# KiCad board panel.kicad_pcb (continued)
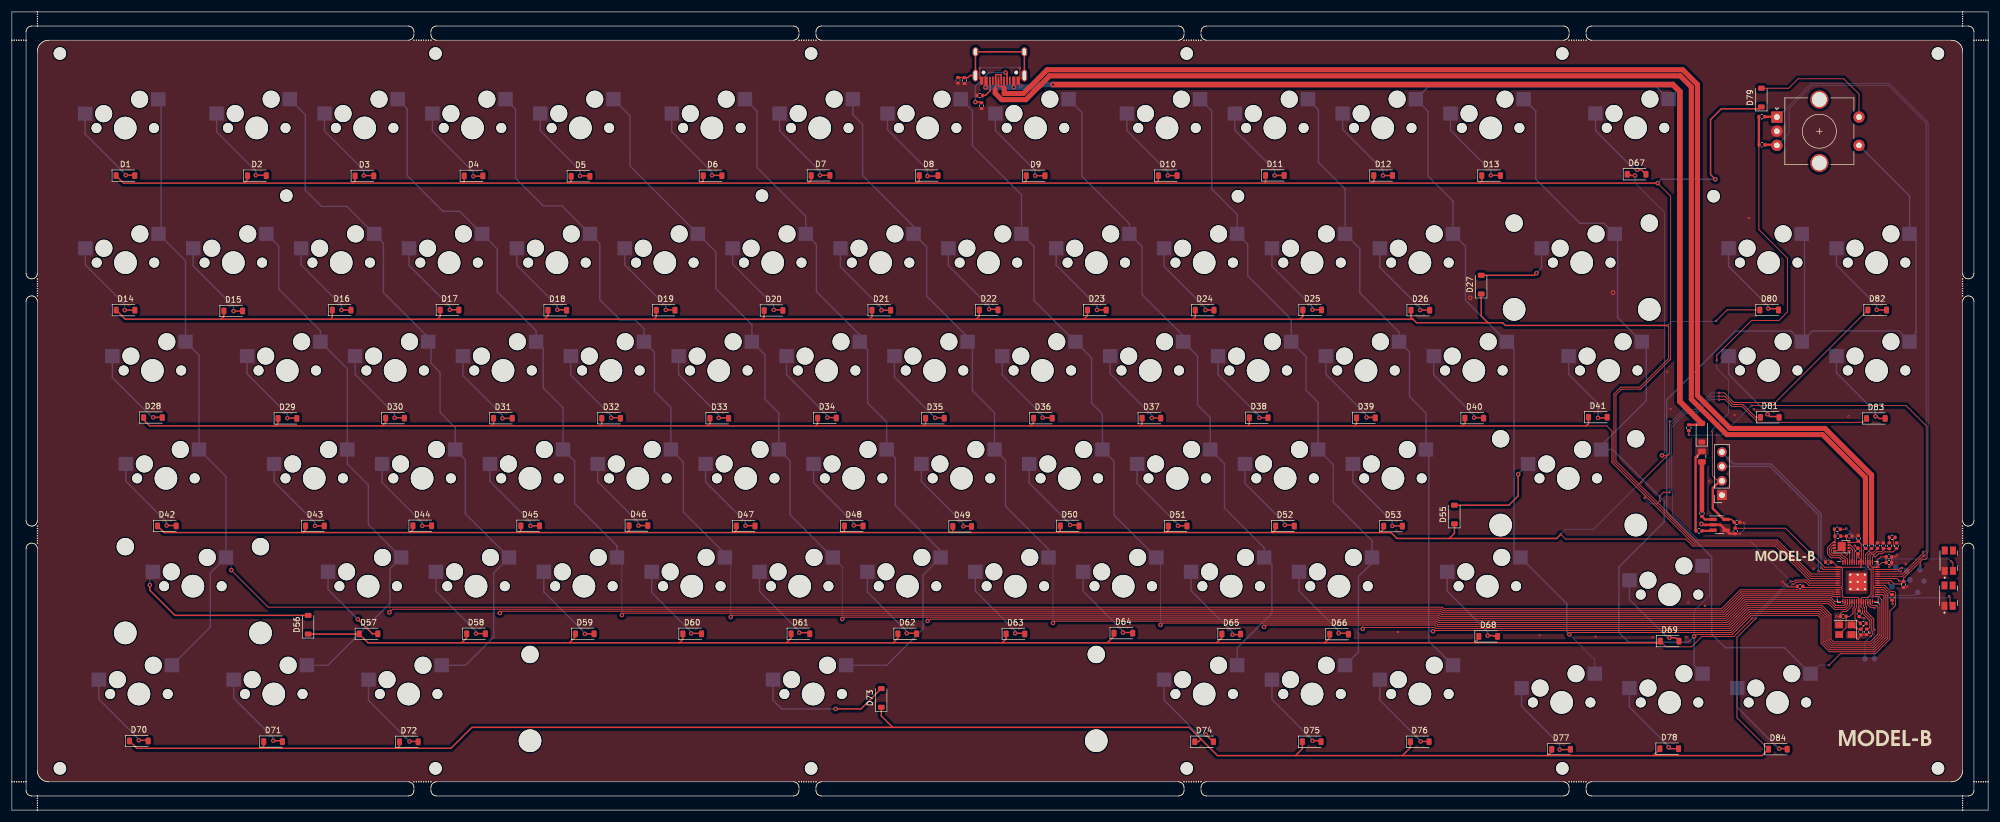
[diagram p0: board, top side]
## Footprints (pads in the part's own frame, mm; a bottom-side part is the same pattern mirrored in y, then rotated)
C_0402_1005Metric
  rrect 0.56x0.62 smd: 1(-0.48,0) 2(0.48,0)
Crystal_SMD_3225-4Pin_3.2x2.5mm
  rect 1.4x1.2 smd: 1(-1.1,-0.85) 2(1.1,-0.85) 3(1.1,0.85) 4(-1.1,0.85)
CustomTestPoint
  round 1 smd: 1(0,0)
D_SOD-123
  rrect 0.9x1.2 smd: 1(-1.65,0) 2(1.65,0)
Fuse_0805_2012Metric
  rrect 0.975x1.4 smd: 1(-0.938,0) 2(0.938,0)
HRO-TYPE-C-31-M-12
  round 0.65 hole 0.65 unplated: (-2.89,6.25) (2.89,6.25)
  rect 0.6x1.45 smd: 1(-3.225,7.695) 2(-2.45,7.695) 11(2.45,7.695) 12(3.225,7.695)
  rect 0.3x1.45 smd: 3(-1.75,7.695) 4(-1.25,7.695) 5(-0.75,7.695) 6(-0.25,7.695) 7(0.25,7.695) 8(0.75,7.695) 9(1.25,7.695) 10(1.75,7.695)
  oval 1x2.1 hole 0.6x1.7: 13(-4.32,6.78) 13(4.32,6.78)
  oval 1x1.6 hole 0.6x1.2: 13(-4.32,2.6) 13(4.32,2.6)
MountingHole_2.2mm_M2_ISO7380
  round 2.2 hole 2.2 unplated: (0,0)
MXOnly-1.5U-Hotswap
  round 1.75 hole 1.75 unplated: (-5.08,0) (5.08,0)
  round 3 hole 3 unplated: (-3.81,2.54) (2.54,5.08)
  round 3.988 hole 3.988 unplated: (0,0)
  rect 2.55x2.5 smd far side: 1(-7.085,2.54) 2(5.842,5.08)
MXOnly-1.25U-Hotswap
  round 1.75 hole 1.75 unplated: (-5.08,0) (5.08,0)
  round 3 hole 3 unplated: (-3.81,2.54) (2.54,5.08)
  round 3.988 hole 3.988 unplated: (0,0)
  rect 2.55x2.5 smd far side: 1(-7.085,2.54) 2(5.842,5.08)
MXOnly-1.75U-Hotswap
  round 1.75 hole 1.75 unplated: (-5.08,0) (5.08,0)
  round 3 hole 3 unplated: (-3.81,2.54) (2.54,5.08)
  round 3.988 hole 3.988 unplated: (0,0)
  rect 2.55x2.5 smd far side: 1(-7.085,2.54) 2(5.842,5.08)
MXOnly-1U-Hotswap
  round 1.75 hole 1.75 unplated: (-5.08,0) (5.08,0)
  round 3 hole 3 unplated: (-3.81,2.54) (2.54,5.08)
  round 3.988 hole 3.988 unplated: (0,0)
  rect 2.55x2.5 smd far side: 1(-7.085,2.54) 2(5.842,5.08)
MXOnly-2.25U-Hotswap
  round 3.048 hole 3.048 unplated: (-11.938,6.985) (11.938,6.985)
  round 3.988 hole 3.988 unplated: (-11.938,-8.255) (0,0) (11.938,-8.255)
  round 1.75 hole 1.75 unplated: (-5.08,0) (5.08,0)
  round 3 hole 3 unplated: (-3.81,2.54) (2.54,5.08)
  rect 2.55x2.5 smd far side: 1(-7.085,2.54) 2(5.842,5.08)
MXOnly-2U-Hotswap
  round 3.048 hole 3.048 unplated: (-11.938,6.985) (11.938,6.985)
  round 3.988 hole 3.988 unplated: (-11.938,-8.255) (0,0) (11.938,-8.255)
  round 1.75 hole 1.75 unplated: (-5.08,0) (5.08,0)
  round 3 hole 3 unplated: (-3.81,2.54) (2.54,5.08)
  rect 2.55x2.5 smd far side: 1(-7.085,2.54) 2(5.842,5.08)
MXOnly-6.25U-Hotswap
  round 3.048 hole 3.048 unplated: (-50,6.985) (50,6.985)
  round 3.988 hole 3.988 unplated: (-50,-8.255) (0,0) (50,-8.255)
  round 1.75 hole 1.75 unplated: (-5.08,0) (5.08,0)
  round 3 hole 3 unplated: (-3.81,2.54) (2.54,5.08)
  rect 2.55x2.5 smd far side: 1(-7.085,2.54) 2(5.842,5.08)
NPTH
  round 0.2 hole 0.2 unplated: (0,0)
PinSocket_1x04_P2.54mm_Vertical
  rect 1.7x1.7 hole 1: 1(0,0)
  oval 1.7x1.7 hole 1: 2(0,-2.54) 3(0,-5.08) 4(0,-7.62)
R_0402_1005Metric
  rrect 0.54x0.64 smd: 1(-0.51,0) 2(0.51,0)
RotaryEncoder_Alps_EC11E-Switch_Vertical_H20mm_CircularMountingHoles
  rect 2x2 hole 1: A(0,0)
  round 2 hole 1: B(0,-5) C(0,-2.5) S1(14.5,-5) S2(14.5,0)
  round 3.2 hole 2.6: MP(7.5,3.1) MP(7.5,-8.1)
RP2040-QFN-56
  rrect 1.084x1.084 smd: (-0.637,0.637) (-0.637,-0.637) (0.637,0.637) (0.637,-0.637)
  rrect 0.875x0.2 smd: 1(-3.438,2.6) 2(-3.438,2.2) 3(-3.438,1.8) 4(-3.438,1.4) 5(-3.438,1) 6(-3.438,0.6) 7(-3.438,0.2) 8(-3.438,-0.2) 9(-3.438,-0.6) 10(-3.438,-1) 11(-3.438,-1.4) 12(-3.438,-1.8) 13(-3.438,-2.2) 14(-3.438,-2.6) 29(3.438,-2.6) 30(3.438,-2.2) 31(3.438,-1.8) 32(3.438,-1.4) 33(3.438,-1) 34(3.438,-0.6) 35(3.438,-0.2) 36(3.438,0.2) 37(3.438,0.6) 38(3.438,1) 39(3.438,1.4) 40(3.438,1.8) 41(3.438,2.2) 42(3.438,2.6)
  rrect 0.2x0.875 smd: 15(-2.6,-3.438) 16(-2.2,-3.438) 17(-1.8,-3.438) 18(-1.4,-3.438) 19(-1,-3.438) 20(-0.6,-3.438) 21(-0.2,-3.438) 22(0.2,-3.438) 23(0.6,-3.438) 24(1,-3.438) 25(1.4,-3.438) 26(1.8,-3.438) 27(2.2,-3.438) 28(2.6,-3.438) 43(2.6,3.438) 44(2.2,3.438) 45(1.8,3.438) 46(1.4,3.438) 47(1,3.438) 48(0.6,3.438) 49(0.2,3.438) 50(-0.2,3.438) 51(-0.6,3.438) 52(-1,3.438) 53(-1.4,3.438) 54(-1.8,3.438) 55(-2.2,3.438) 56(-2.6,3.438)
  round 0.6 hole 0.35: 57(-1.275,1.275) 57(-1.275,0) 57(-1.275,-1.275) 57(0,1.275) 57(0,0) 57(0,-1.275) 57(1.275,1.275) 57(1.275,0) 57(1.275,-1.275)
  rrect 3.2x3.2 smd: 57(0,0)
SON-8-1EP_3x2mm_P0.5mm_EP1.4x1.6mm
  rrect 0.56x0.64 smd: (-0.35,0.4) (-0.35,-0.4) (0.35,0.4) (0.35,-0.4)
  rrect 0.525x0.35 smd: 1(-1.288,0.75) 2(-1.288,0.25) 3(-1.288,-0.25) 4(-1.288,-0.75) 5(1.288,-0.75) 6(1.288,-0.25) 7(1.288,0.25) 8(1.288,0.75)
  rect 1.4x1.6 smd: 9(0,0)
SOT-23-5
  rrect 1.325x0.6 smd: 1(-1.137,0.95) 2(-1.137,0) 3(-1.137,-0.95) 4(1.137,-0.95) 5(1.137,0.95)
SW_EVQ-P7A01P
  rect 1.4x1.05 smd: 1_1(-1.8,0.725) 1_2(1.8,0.725) 2_1(-1.8,-0.725) 2_2(1.8,-0.725)
unnamed
  round 2.2 hole 2.2 unplated: (0,0)

## Nets
Board_0-3V3_EN: R11.2 U2.3
Board_0-+1V1: C7.1 C8.1 C9.1 U3.23 U3.45 U3.50
Board_0-+3V3: C1.2 C5.1 C6.1 C10.1 C12.1 C13.1 C14.1 C15.1 C16.1 C17.1 C18.1 OLED1.2 R1.2 R2.2 R4.2 R13.1 TP9.1 U1.8 U2.5 U3.1 U3.10 U3.22 U3.33 U3.42 U3.44 U3.48 U3.49
Board_0-/ADC_VREF: R13.2 R14.1
Board_0-/col0: SW1.2 SW14.2 SW28.2 SW42.2 SW56.2 SW70.2 U3.11
Board_0-/col1: SW15.2 SW29.2 SW43.2 SW57.2 SW71.2 U3.12
Board_0-/col2: SW2.2 SW16.2 SW30.2 SW44.2 SW58.2 SW72.2 U3.13
Board_0-/col3: SW3.2 SW17.2 SW31.2 SW45.2 SW59.2 U3.14
Board_0-/col4: SW4.2 SW18.2 SW32.2 SW46.2 SW60.2 U3.15
Board_0-/col5: SW5.2 SW19.2 SW33.2 SW47.2 SW61.2 U3.16
Board_0-/col6: SW6.2 SW20.2 SW34.2 SW48.2 SW62.2 SW73.2 U3.17
Board_0-/col7: SW7.2 SW21.2 SW35.2 SW49.2 SW63.2 U3.18
Board_0-/col8: SW8.2 SW22.2 SW36.2 SW50.2 SW64.2 U3.27
Board_0-/col9: SW9.2 SW23.2 SW37.2 SW51.2 SW65.2 SW74.2 U3.28
Board_0-/col10: SW10.2 SW24.2 SW38.2 SW52.2 SW66.2 SW75.2 U3.29
Board_0-/col11: SW11.2 SW25.2 SW39.2 SW53.2 SW76.2 U3.30
Board_0-/col12: SW12.2 SW26.2 SW40.2 SW54.2 SW68.2 SW77.2 U3.31
Board_0-/col13: SW13.2 SW27.2 SW41.2 SW55.2 SW69.2 SW78.2 U3.32
Board_0-/col14: ROTARY1.S1 SW80.2 SW81.2 SW82.2 SW83.2 SW84.2 U3.34
Board_0-/GPIO24: R7.2 R8.1 TP7.1 U3.36
Board_0-/QSPI_SCLK: U1.6 U3.52
Board_0-/QSPI_SD0: U1.5 U3.53
Board_0-/QSPI_SD1: U1.2 U3.55
Board_0-/QSPI_SD2: U1.3 U3.54
Board_0-/QSPI_SD3: U1.7 U3.51
Board_0-/QSPI_SS: R3.2 R4.1 U1.1 U3.56
Board_0-/RES: D79.2 ROTARY1.S2
Board_0-/RESCLK: R1.1 ROTARY1.A U3.38
Board_0-/RESDATA: R2.1 ROTARY1.B U3.39
Board_0-/row0: D1.1 D2.1 D3.1 D4.1 D5.1 D6.1 D7.1 D8.1 D9.1 D10.1 D11.1 D12.1 D13.1 D79.1 U3.4
Board_0-/row1: D14.1 D15.1 D16.1 D17.1 D18.1 D19.1 D20.1 D21.1 D22.1 D23.1 D24.1 D25.1 D26.1 D27.1 D80.1 U3.5
Board_0-/row2: D28.1 D29.1 D30.1 D31.1 D32.1 D33.1 D34.1 D35.1 D36.1 D37.1 D38.1 D39.1 D40.1 D41.1 D81.1 U3.6
Board_0-/row3: D42.1 D43.1 D44.1 D45.1 D46.1 D47.1 D48.1 D49.1 D50.1 D51.1 D52.1 D53.1 D55.1 D67.1 D82.1 U3.7
Board_0-/row4: D56.1 D57.1 D58.1 D59.1 D60.1 D61.1 D62.1 D63.1 D64.1 D65.1 D66.1 D68.1 D69.1 D83.1 U3.8
Board_0-/row5: D70.1 D71.1 D72.1 D73.1 D74.1 D75.1 D76.1 D77.1 D78.1 D84.1 U3.9
Board_0-/RUN: S2.2_1 U3.26
Board_0-/SCL: OLED1.3 U3.3
Board_0-/SDA: OLED1.4 U3.2
Board_0-/USB_BOOT: R3.1 S1.2_1
Board_0-/USB_DN: R16.2 USB1.5 USB1.7
Board_0-/USB_DP: R15.2 USB1.6 USB1.8
Board_0-GND: C1.1 C2.1 C3.2 C4.2 C5.2 C6.2 C7.2 C8.2 C9.2 C10.2 C11.2 C12.2 C13.2 C14.2 C15.2 C16.2 C17.2 C18.2 OLED1.1 R6.1 R7.1 R9.2 R10.2 ROTARY1.C S1.1_1 S2.1_1 TP8.1 U1.4 U1.9 U2.2 U2.4 U3.19 U3.57 USB1.1 USB1.12 Y1.2 Y1.4
Board_0-Net-(C3-Pad1): C3.1 R5.1 Y1.1
Board_0-Net-(D1-A): D1.2 SW1.1
Board_0-Net-(D2-A): D2.2 SW2.1
Board_0-Net-(D3-A): D3.2 SW3.1
Board_0-Net-(D4-A): D4.2 SW4.1
Board_0-Net-(D5-A): D5.2 SW5.1
Board_0-Net-(D6-A): D6.2 SW6.1
Board_0-Net-(D7-A): D7.2 SW7.1
Board_0-Net-(D8-A): D8.2 SW8.1
Board_0-Net-(D9-A): D9.2 SW9.1
Board_0-Net-(D10-A): D10.2 SW10.1
Board_0-Net-(D11-A): D11.2 SW11.1
Board_0-Net-(D12-A): D12.2 SW12.1
Board_0-Net-(D13-A): D13.2 SW13.1
Board_0-Net-(D14-A): D14.2 SW14.1
Board_0-Net-(D15-A): D15.2 SW15.1
Board_0-Net-(D16-A): D16.2 SW16.1
Board_0-Net-(D17-A): D17.2 SW17.1
Board_0-Net-(D18-A): D18.2 SW18.1
Board_0-Net-(D19-A): D19.2 SW19.1
Board_0-Net-(D20-A): D20.2 SW20.1
Board_0-Net-(D21-A): D21.2 SW21.1
Board_0-Net-(D22-A): D22.2 SW22.1
Board_0-Net-(D23-A): D23.2 SW23.1
Board_0-Net-(D24-A): D24.2 SW24.1
Board_0-Net-(D25-A): D25.2 SW25.1
Board_0-Net-(D26-A): D26.2 SW26.1
Board_0-Net-(D27-A): D27.2 SW27.1
Board_0-Net-(D28-A): D28.2 SW28.1
Board_0-Net-(D29-A): D29.2 SW29.1
Board_0-Net-(D30-A): D30.2 SW30.1
Board_0-Net-(D31-A): D31.2 SW31.1
Board_0-Net-(D32-A): D32.2 SW32.1
Board_0-Net-(D33-A): D33.2 SW33.1
Board_0-Net-(D34-A): D34.2 SW34.1
Board_0-Net-(D35-A): D35.2 SW35.1
Board_0-Net-(D36-A): D36.2 SW36.1
Board_0-Net-(D37-A): D37.2 SW37.1
Board_0-Net-(D38-A): D38.2 SW38.1
Board_0-Net-(D39-A): D39.2 SW39.1
Board_0-Net-(D40-A): D40.2 SW40.1
Board_0-Net-(D41-A): D41.2 SW41.1
Board_0-Net-(D42-A): D42.2 SW42.1
Board_0-Net-(D43-A): D43.2 SW43.1
Board_0-Net-(D44-A): D44.2 SW44.1
Board_0-Net-(D45-A): D45.2 SW45.1
Board_0-Net-(D46-A): D46.2 SW46.1
Board_0-Net-(D47-A): D47.2 SW47.1
Board_0-Net-(D48-A): D48.2 SW48.1
Board_0-Net-(D49-A): D49.2 SW49.1
Board_0-Net-(D50-A): D50.2 SW50.1
Board_0-Net-(D51-A): D51.2 SW51.1
Board_0-Net-(D52-A): D52.2 SW52.1
Board_0-Net-(D53-A): D53.2 SW53.1
Board_0-Net-(D55-A): D55.2 SW55.1
Board_0-Net-(D56-A): D56.2 SW56.1
Board_0-Net-(D57-A): D57.2 SW57.1
Board_0-Net-(D58-A): D58.2 SW58.1
Board_0-Net-(D59-A): D59.2 SW59.1
Board_0-Net-(D60-A): D60.2 SW60.1
Board_0-Net-(D61-A): D61.2 SW61.1
Board_0-Net-(D62-A): D62.2 SW62.1
Board_0-Net-(D63-A): D63.2 SW63.1
Board_0-Net-(D64-A): D64.2 SW64.1
Board_0-Net-(D65-A): D65.2 SW65.1
Board_0-Net-(D66-A): D66.2 SW66.1
Board_0-Net-(D67-A): D67.2 SW54.1
Board_0-Net-(D68-A): D68.2 SW68.1
Board_0-Net-(D69-A): D69.2 SW69.1
Board_0-Net-(D70-A): D70.2 SW70.1
Board_0-Net-(D71-A): D71.2 SW71.1
Board_0-Net-(D72-A): D72.2 SW72.1
Board_0-Net-(D73-A): D73.2 SW73.1
Board_0-Net-(D74-A): D74.2 SW74.1
Board_0-Net-(D75-A): D75.2 SW75.1
Board_0-Net-(D76-A): D76.2 SW76.1
Board_0-Net-(D77-A): D77.2 SW77.1
Board_0-Net-(D78-A): D78.2 SW78.1
Board_0-Net-(D80-A): D80.2 SW80.1
Board_0-Net-(D81-A): D81.2 SW81.1
Board_0-Net-(D82-A): D82.2 SW82.1
Board_0-Net-(D83-A): D83.2 SW83.1
Board_0-Net-(D84-A): D84.2 SW84.1
Board_0-Net-(F1-Pad2): F1.2 FB1.2
Board_0-Net-(U2-IN): FB1.1 U2.1
Board_0-Net-(U3-ADC_AVDD): C11.1 R14.2 U3.43
Board_0-Net-(U3-GPIO23): TP1.1 U3.35
Board_0-Net-(U3-GPIO25): TP2.1 U3.37
Board_0-Net-(U3-GPIO28_ADC2): TP3.1 U3.40
Board_0-Net-(U3-GPIO29_ADC3): TP4.1 U3.41
Board_0-Net-(U3-SWCLK): TP5.1 U3.24
Board_0-Net-(U3-SWD): TP6.1 U3.25
Board_0-Net-(U3-USB_DM): R16.1 U3.46
Board_0-Net-(U3-USB_DP): R15.1 U3.47
Board_0-Net-(USB1-CC1): R9.1 USB1.4
Board_0-Net-(USB1-CC2): R10.1 USB1.10
Board_0-Net-(USB1-SHIELD): C4.1 R6.2 USB1.13
Board_0-unconnected-(USB1-SBU1-Pad9): USB1.9
Board_0-unconnected-(USB1-SBU2-Pad3): USB1.3
Board_0-VBUS: D54.2 R8.2 USB1.2 USB1.11
Board_0-VSYS: D54.1 F1.1 R11.1
Board_0-XIN: C2.2 U3.20 Y1.3
Board_0-XOUT: R5.2 U3.21

Pads without a net: ROTARY1 MP; S1 1_2 2_2; S2 1_2 2_2

## Via types
v1: diameter 0.4, hole 0.2, Top to Bottom, 72 vias
v2: diameter 0.8, hole 0.4, Top to Bottom, 108 vias

## Routing (per net, layer and track width the routed paths; a pad name or vN(x,y) marks a point on that pad's centre or on a via; arc(x,y) is an arc through that point)
Board_0-3V3_EN: length 2
  Top w0.4: U2.3 300.31,49.33 R11.2
Board_0-+1V1: length 22.2
  Top w0.15: C7.1 328.78,45.56 328.26,45.56 327.76,45.06 U3.45 327.77,43.74 v1(327.77,42.99) 328.34,42.41 328.34,38.15 327.77,37.58 326.78,37.58 326.56,37.37 U3.23 326.56,35.9 326.81,35.65 326.81,34.78 328.1,33.49 328.1,32.31 327.82,32.03 327.62,32.03 C8.1 ; U3.50 325.76,44.86 326.03,45.13 326.14,45.02 v1(326.14,44.65)
  Bottom w0.15: v1(327.77,42.99) 326.14,44.61 v1(326.14,44.65)
Board_0-+3V3: length 182.2
  Top w0.15: U3.1 321.62,43.81 C14.1 ; U3.1 326.49,42.91 v1(326.56,42.98) 326.56,43.31 326.56,43.31 U3.48 326.56,44.24 326.61,44.29 ; U3.1 320.11,42.91 313.23,49.79 C5.1 304.34,50.68 C6.1 ; U3.1 323.02,42.91 323.24,42.69 323.24,39.52 323.02,39.31 ; C16.1 331.89,38.05 330.63,39.31 U3.33 328.9,39.31 ; C10.1 326.19,35.19 v1(326.19,35.59) 326.16,35.62 U3.22 326.16,37.37 325.95,37.58 323.45,37.58 323.24,37.8 323.24,39.09 323.02,39.31 ; v1(300.31,66.88) 300.31,59.09 301.24,58.16 OLED1.2 ; 323.02,39.31 U3.10 316.49,39.31 C18.1 ; v1(328.56,37.71) 328.69,37.83 328.69,39.09 328.9,39.31 ; R13.1 330.54,46.18 C17.1 330.5,45.96 330.16,45.63 329.35,45.63 328.92,45.21 328.4,45.21 328.16,44.97 U3.44 328.16,43.25 328.5,42.91 U3.42 ; 326.61,44.29 326.16,43.84 U3.49 ; 326.61,44.29 326.61,46.95 326.08,47.48 C15.1 325.86,47.3 U1.8 323.99,47.74 C1.2 323.98,48.4 R4.2 ; 328.9,39.31 328.69,39.52 328.69,42.69 328.9,42.91 U3.42 ; U3.42 329.4,44.12 330.02,44.74 C12.1 331.01,44.74 C13.1 330.21,43.72 U3.42 ; 308.52,117.85 308.52,102.53 313.55,97.5 313.55,87.97 312.07,86.49 307.22,86.49 301.08,80.35 v1(301.08,79.47)
  Top w0.25: C6.1 303.67,51.35 U2.5
  Top w0.4: OLED1.2 301.64,58.16 300.38,56.91 300.38,53.27 302.3,51.35 U2.5 ; R1.2 308.52,117.56 R2.2
  Bottom w0.15: v1(300.31,66.88) 300.31,67.21 303.16,70.07 303.16,75.95 301.08,78.03 v1(301.08,79.47) ; v1(326.19,35.59) 326.19,35.94 327.96,37.71 v1(328.56,37.71) 328.94,37.71 329.19,37.96 336.08,37.96 TP9.1 ; v1(329.38,43.65) 328.24,42.51 327.57,42.51 327.19,42.89 326.65,42.89 v1(326.56,42.98)
Board_0-/ADC_VREF: length 1
  Top w0.15: R13.2 331.57,48.16 R14.1
Board_0-/col0: length 399.9
  Top w0.15: U3.11 305.25,38.91 301.9,35.56 252.91,35.56 252.63,35.84 45.29,35.84 v2(38.74,42.39)
  Bottom w0.15: SW56.2 38.74,43.7 v2(38.74,42.39)
  Bottom w0.25: SW70.2 35.03,32.34 35.03,41.87 SW56.2 37.81,58.92 SW42.2 33.04,80.36 SW28.2 30.66,97.02 25.9,101.79 26.35,102.24 26.35,125.07 SW1.2
Board_0-/col1: length 354.5
  Top w0.15: U3.12 321.76,38.51 321.71,38.56 305.39,38.56 302.05,35.21 252.77,35.21 252.49,35.49 67.23,35.49 v2(66.67,34.94)
  Bottom w0.15: 66.75,36.64 66.75,35.01 v2(66.67,34.94)
  Bottom w0.25: SW71.2 55.8,25.59 66.75,36.54 66.75,42.62 SW57.2 62.95,50.45 62.95,57.44 59.24,61.16 SW43.2 59.24,77.97 SW29.2 54.47,84.69 47.13,92.04 47.13,99.6 44.95,101.79
Board_0-/col2: length 365.2
  Top w0.15: v2(86.17,34.82) 86.5,35.14 252.34,35.14 252.62,34.86 302.19,34.86 305.54,38.21 321.56,38.21 321.67,38.11 U3.13
  Bottom w0.15: 85.1,34.87 85.16,34.82 v2(86.17,34.82)
  Bottom w0.25: SW2.2 51.81,122.85 51.81,109.5 54.67,106.64 59.15,106.64 65.61,100.18 65.61,91.43 73.52,83.51 SW30.2 74.01,82.25 74.01,78.92 75.63,77.3 75.63,70.23 78.29,67.58 SW44.2 80.07,61.9 80.07,52.37 SW58.2 85.1,41.93 85.1,30.56 80.12,25.59 SW72.2
Board_0-/col3: length 325.7
  Top w0.15: U3.14 322.03,37.71 321.98,37.76 321.52,37.76 321.42,37.86 305.68,37.86 302.34,34.51 252.48,34.51 252.2,34.79 108.05,34.79 v2(107.73,34.47)
  Bottom w0.15: SW59.2 107.73,43.77 v2(107.73,34.47)
  Bottom w0.25: SW3.2 69.81,123.91 69.81,112.09 76.12,105.78 79.06,105.78 85.71,99.13 85.71,91.55 92.57,84.68 SW31.2 93.83,81.48 93.83,74.59 97.34,71.08 SW45.2 99.38,61.64 99.38,54.15 106.86,46.67 SW59.2
Board_0-/col4: length 309.7
  Top w0.15: U3.15 321.91,36.87 321.27,37.51 305.83,37.51 302.48,34.16 252.33,34.16 252.05,34.44 127.28,34.44 v2(126.96,34.12)
  Bottom w0.15: v2(126.96,34.12) 126.96,43.59 SW60.2
  Bottom w0.25: SW4.2 88.94,123.83 88.94,111.63 93.83,106.74 97.15,106.74 103.82,100.06 103.82,90.19 107.41,86.6 110.03,86.6 111.62,85.01 SW32.2 113.47,80.9 113.47,74.03 116.39,71.11 SW46.2 118.56,61.51 118.56,52.68 125.91,45.34 SW60.2
Board_0-/col5: length 288.3
  Top w0.15: v2(146.64,33.77) 146.97,34.09 251.91,34.09 252.19,33.81 302.63,33.81 305.97,37.16 321.13,37.16 322.13,36.16 323.55,36.16 323.76,36.37 U3.16
  Bottom w0.15: SW61.2 146.64,42.96 v2(146.64,33.77)
  Bottom w0.25: SW61.2 137.44,52.16 137.44,61.68 SW47.2 135.44,70.14 132.99,72.59 132.99,80.42 SW33.2 130.67,85.76 124.31,92.12 124.31,98.63 109.17,113.77 109.17,115.11 109.17,115.11 109.17,122.65 SW5.2
Board_0-/col6: length 292.4
  Top w0.15: v2(161.73,33.42) 161.92,33.42 162.25,33.74 251.76,33.74 252.04,33.46 302.77,33.46 306.12,36.81 320.98,36.81 321.99,35.81 323.69,35.81 324.16,36.28 U3.17
  Bottom w0.15: 160.91,31.99 160.91,32.6 v2(161.73,33.42)
  Bottom w0.25: SW73.2 154.5,25.59 160.91,31.99 160.91,41.53 SW62.2 164.01,45.8 156.01,53.8 156.01,62.16 SW48.2 154.49,68.55 151.12,71.92 151.12,81.35 SW34.2 149.72,83.96 142.08,91.6 142.08,99.9 140.2,101.79 140.2,104.89 131.58,113.51 131.58,123.45 SW6.2
Board_0-/col7: length 250.9
  Top w0.15: v2(183.85,33.07) 184.18,33.39 251.62,33.39 251.9,33.11 302.92,33.11 306.26,36.46 320.84,36.46 321.84,35.46 323.84,35.46 324.56,36.18 U3.18
  Bottom w0.15: SW63.2 183.85,43.85 v2(183.85,33.07)
  Bottom w0.25: SW63.2 183.06,46.08 175.48,53.66 175.48,61.75 SW49.2 173.54,70.19 169.62,74.1 169.62,81.89 SW35.2 168.77,83.58 161.55,90.81 161.55,99.49 159.25,101.79 159.25,103.1 150.24,112.11 150.24,121.09 148.51,122.83 SW7.2
Board_0-/col8: length 248.5
  Top w0.15: U3.27 328.16,36.37 328.38,36.16 329.25,36.16 329.55,35.87 329.55,31.07 328.2,29.72 321.71,29.72 321.25,30.19 321.25,34.56 319.7,36.11 306.41,36.11 303.06,32.76 251.75,32.76 251.47,33.04 203.16,33.04 v2(202.84,32.72)
  Bottom w0.15: SW64.2 202.84,43.91 v2(202.84,32.72)
  Bottom w0.25: SW8.2 169.62,123.52 169.62,117.36 178.3,108.68 178.3,101.79 180.52,99.56 180.52,90 187.79,82.74 SW36.2 190.67,79.89 190.67,71.88 192.59,69.97 SW50.2 194.61,61.67 194.61,52.14 SW64.2
Board_0-/col9: length 241.4
  Top w0.15: v2(221.12,32.37) 221.44,32.69 251.33,32.69 251.61,32.41 303.21,32.41 306.55,35.76 319.55,35.76 320.9,34.42 320.9,30.05 321.57,29.38 328.34,29.38 329.89,30.93 329.89,36.31 329.33,36.87 U3.28
  Bottom w0.15: v2(221.12,32.37) 221.12,32.7 220.77,33.04
  Bottom w0.25: SW74.2 216.4,28.67 222.52,34.79 222.52,43.28 SW65.2 221.16,46.34 214.14,53.36 214.14,61.18 SW51.2 211.64,69.34 209.39,71.58 209.39,80.22 SW37.2 206.87,83.77 199.58,91.06 199.58,99.56 197.35,101.79 197.35,103.59 188.98,111.96 188.98,123.21 SW9.2
Board_0-/col10: length 222
  Top w0.15: U3.29 329.66,37.71 330.25,37.12 330.25,30.78 328.49,29.03 321.42,29.03 320.55,29.9 320.55,34.27 319.41,35.41 306.7,35.41 303.35,32.06 251.46,32.06 251.25,32.28 238.83,32.28 v2(238.57,32.02)
  Bottom w0.15: 237.79,31.9 237.91,32.02 v2(238.57,32.02)
  Bottom w0.25: SW75.2 237.79,27.93 237.79,41.25 240.21,43.67 SW66.2 240.21,47.56 233.35,54.42 233.35,61.03 SW52.2 230.69,72.02 228.55,74.16 228.55,80.11 SW38.2 225.92,86.68 218.26,94.34 218.26,99.93 216.4,101.79 216.4,105.22 211.9,109.72 211.9,123.52 SW10.2
Board_0-/col11: length 207
  Top w0.15: U3.30 330.3,38.11 330.6,37.81 330.6,30.64 328.63,28.68 321.28,28.68 320.2,29.76 320.2,34.13 319.26,35.06 306.84,35.06 303.5,31.71 251.08,31.71 v2(250.97,31.6)
  Bottom w0.15: 250.22,31.86 250.49,31.6 v2(250.97,31.6)
  Bottom w0.25: SW76.2 250.22,29.86 250.22,63.2 SW53.2 249.74,70.13 246.82,73.05 246.82,80.89 SW39.2 244.97,84.43 238.04,91.37 238.04,99.19 235.45,101.79 235.45,109.71 230.72,114.43 230.72,123.74 SW11.2
Board_0-/col12: length 234.5
  Top w0.15: v2(275.04,31.04) 275.36,31.36 303.64,31.36 306.99,34.71 319.12,34.71 319.85,33.98 319.85,29.61 321.13,28.32 328.78,28.32 330.94,30.49 330.94,38.01 330.44,38.51 U3.31
  Bottom w0.15: SW77.2 279.53,26.58 274.62,31.49 275.04,31.07 v2(275.04,31.04)
  Bottom w0.25: 274.62,31.49 274.62,36.43 SW68.2 265.28,45.76 265.28,81.48 SW40.2 256.72,90.05 256.72,99.57 254.5,101.79 254.5,107.56 250.1,111.96 250.1,123.41 SW12.2 250.13,127.78 290.4,127.78 SW54.2
Board_0-/col13: length 205.7
  Top w0.15: U3.32 330.54,38.91 331.3,38.15 331.3,30.35 328.92,27.97 320.99,27.97 319.5,29.47 319.5,33.84 318.97,34.36 307.13,34.36 303.79,31.01 297.4,31.01 v2(297.08,30.69)
  Bottom w0.15: SW69.2 299.78,41.95 299.78,37.9 297.08,35.19 v2(297.08,30.69)
  Bottom w0.25: SW78.2 297.08,25.6 v2(297.08,30.69) 296.05,29.66 285.52,29.66 283.8,31.38 283.8,42.95 291.8,50.95 291.8,54.58 282.69,63.69 SW55.2 280.69,64.41 288.64,72.36 288.64,81.93 SW41.2 283.56,87.01 283.56,101.3 281.2,103.66 276.9,103.66 269.11,111.45 269.11,123.46 SW13.2
Board_0-/col14: length 203
  Top w0.15: v1(320.9,25.62) 322.91,27.62 329.07,27.62 331.64,30.2 331.64,35.17 332.63,36.15 332.63,38.41 332.42,38.62 331.82,38.62 330.73,39.71 U3.34
  Bottom w0.15: v1(320.9,25.62) 319.15,25.62 SW84.2
  Bottom w0.25: SW81.2 314.22,84.62 304.41,84.62 292.25,72.46 292.25,52.66 300.18,44.72 300.18,31.11 302.59,28.69 313.04,28.69 SW84.2 ; SW81.2 316.58,83.23 316.58,101.31 SW80.2 ; SW81.2 317.99,84.64 333.25,84.64 SW83.2 335.14,83.24 336.29,84.39 336.29,100.65 SW82.2 335.14,108.48 ROTARY1.S1
Board_0-/GPIO24: length 83
  Top w0.15: v1(296.14,66.29) 296.14,67.04 R8.1 ; 334.08,40.96 334.08,40.46 ; 334.08,40.96 337.05,43.92 ; 334.08,40.96 334.06,40.93 334.06,40.36 333.64,39.95 332.41,39.95 331.84,40.51 U3.36 ; 337.05,43.92 337.03,43.9 v1(337.03,43.19) ; 337.05,43.92 337.43,44.31 337.94,44.31 338.21,44.58 338.21,67.74 334.49,71.47 v1(307.22,71.47)
  Bottom w0.15: v1(307.22,71.47) 307.22,71.46 302,66.24 296.19,66.24 v1(296.14,66.29) ; v1(337.03,43.19) 337.03,42.51 TP7.1
Board_0-/QSPI_SCLK: length 3
  Top w0.15: U1.6 324.71,46.3 325.01,45.99 325.01,44.35 324.96,44.3 U3.52
Board_0-/QSPI_SD0: length 2.1
  Top w0.15: U1.5 324.56,45.66 U3.53
Board_0-/QSPI_SD1: length 5.7
  Top w0.15: U3.55 323.76,44.24 323.55,44.46 323.36,44.46 322.89,44.93 321.44,44.93 320.96,45.41 320.96,46.19 321.57,46.8 U1.2
Board_0-/QSPI_SD2: length 5.1
  Top w0.15: U3.54 324.16,44.34 323.69,44.81 323.51,44.81 323.03,45.28 321.59,45.28 321.31,45.56 321.31,46.04 321.57,46.3 U1.3
Board_0-/QSPI_SD3: length 3.6
  Top w0.15: U3.51 325.36,46.14 324.71,46.8 U1.7
Board_0-/QSPI_SS: length 8.6
  Top w0.15: R3.2 321.86,48.49 R4.1 321.96,47.4 U1.1 321.57,47.3 320.62,46.34 320.61,45.27 321.3,44.58 322.75,44.58 323.36,43.97 U3.56
Board_0-/RES: length 23.1
  Top w0.15: D79.2 313.78,127.51 315.45,129.18 323.51,129.18 326.2,126.49 ROTARY1.S2
Board_0-/RESCLK: length 121.3
  Top w0.15: U3.38 333.94,41.31 337.5,44.87 v1(337.74,44.87)
  Top w0.4: R1.1 311.64,122.48 ROTARY1.A
  Bottom w0.15: v1(337.74,44.87) 337.74,44.93 337.52,45.14 337.95,45.14 338.4,45.6 338.4,121.46 331.51,128.35 317.8,128.35 311.87,122.42 ROTARY1.A
Board_0-/RESDATA: length 124.2
  Top w0.15: U3.39 333.84,41.71 337.56,45.43 v1(337.56,45.61)
  Top w0.4: ROTARY1.B 311.6,117.52 R2.1
  Bottom w0.15: ROTARY1.B 313.86,119.58 313.86,123.92 317.95,128 331.36,128 338.05,121.31 338.05,45.74 337.93,45.61 v1(337.56,45.61)
Board_0-/row0: length 425.3
  Top w0.15: v2(290.63,110.75) 292.94,108.44 292.94,79.66 287.63,74.36 284.26,74.36 283.27,73.37 283.27,61.69 297.26,47.7 311.82,47.7 317.81,41.71 U3.4
  Top w0.25: 121.75,110.75 122.08,111.09 D6.1 ; 121.75,110.75 98.38,110.75 ; 121.75,110.75 140.62,110.75 ; 240.17,110.75 240.51,111.09 D12.1 ; 240.17,110.75 221.19,110.75 ; 240.17,110.75 259.24,110.75 ; 221.19,110.75 221.39,110.96 D11.1 ; 221.19,110.75 202.1,110.75 ; 178.66,110.75 179.14,111.23 179.14,112.06 ; 178.66,110.75 202.1,110.75 ; 178.66,110.75 159.84,110.75 ; v2(300.82,111.43) 299.99,112.26 299.99,121.99 301.87,123.87 308.62,123.87 D79.1 ; 202.1,110.75 202.47,111.13 D10.1 ; 41.62,112.07 41.62,111.4 40.98,110.75 ; v2(290.63,110.75) 259.24,110.75 ; 259.24,110.75 259.58,111.09 D13.1 ; D8.1 160.25,111.17 159.84,110.75 ; 98.38,110.75 79.6,110.75 ; 98.38,110.75 98.77,111.14 D5.1 ; 79.6,110.75 60.17,110.75 ; 79.6,110.75 79.87,111.03 D4.1 ; 60.17,110.75 60.6,111.19 D3.1 ; 60.17,110.75 40.98,110.75 ; 140.62,110.75 159.84,110.75 ; 140.62,110.75 141.16,111.29 D7.1 ; D1.1 19.72,110.75 40.98,110.75
  Bottom w0.25: v2(290.63,110.75) 291.31,111.43 300.81,111.43 v2(300.82,111.43)
Board_0-/row1: length 397.7
  Top w0.15: U3.5 317.72,41.31 311.68,47.35 297.12,47.35 282.92,61.55 282.92,73.52 284.12,74.71 287.49,74.71 292.59,79.81 292.59,85.41 v1(292.39,85.61) ; 308.76,88.33 308.73,88.36 302.91,88.36 v1(300.96,86.41)
  Top w0.25: 113.38,86.72 113.8,87.14 D19.1 ; 113.38,86.72 132.47,86.72 ; 113.38,86.72 94.06,86.72 ; D16.1 56.58,87.04 56.25,86.72 ; D24.1 208.99,87.1 208.61,86.72 ; 36.98,86.72 37.44,87.17 D15.1 ; 36.98,86.72 56.25,86.72 ; 36.98,86.72 20.02,86.72 D14.1 ; D20.1 132.85,87.1 132.47,86.72 ; 170.28,86.72 170.85,87.28 D22.1 ; 170.28,86.72 189.31,86.72 ; 170.28,86.72 151.43,86.72 ; 260.69,86.08 259.49,87.29 D27.1 ; 260.69,86.08 248.08,86.08 247.44,86.72 ; 260.69,86.08 263.26,86.08 263.73,85.62 291.04,85.62 291.05,85.61 v1(292.39,85.61) ; 132.47,86.72 151.43,86.72 ; D17.1 75.63,87.21 75.14,86.72 ; 227.46,86.72 247.44,86.72 ; 227.46,86.72 208.61,86.72 ; 227.46,86.72 227.98,87.23 D25.1 ; D23.1 189.94,87.35 189.31,86.72 ; 208.61,86.72 189.31,86.72 ; 75.14,86.72 56.25,86.72 ; 75.14,86.72 94.06,86.72 ; D26.1 247.07,87.08 247.44,86.72 ; 94.06,86.72 94.66,87.32 D18.1 ; D21.1 151.88,87.17 151.43,86.72
  Bottom w0.15: v1(300.96,86.41) 300.88,86.33 293.11,86.33 v1(292.39,85.61)
Board_0-/row2: length 372.6
  Top w0.15: v1(291.02,54.61) 291.02,55.52 291.65,56.14 v1(292.77,56.14) ; D81.1 307.97,69.38 305.7,71.65 303.96,71.65 302.5,73.1 v1(301.45,73.1) ; v1(288.33,55.11) 288.39,55.17 288.39,55.58 ; 288.39,55.58 282.57,61.4 282.57,66.96 281.66,67.87 278.03,67.87 ; 288.39,55.58 296.97,47 311.53,47 317.62,40.91 U3.6
  Top w0.25: D36.1 180.42,68.42 179.88,67.87 ; 46.5,67.87 47.01,68.38 D29.1 ; 46.5,67.87 65.39,67.87 ; 46.5,67.87 24.34,67.87 23.26,68.95 D28.1 ; 65.39,67.87 84.75,67.87 ; 65.39,67.87 66.01,68.49 D30.1 ; 237.09,67.87 218.3,67.87 ; 237.09,67.87 256.12,67.87 ; 237.09,67.87 237.47,68.26 D39.1 ; 218.3,67.87 218.53,68.1 D38.1 ; 218.3,67.87 199.29,67.87 ; 141.91,67.87 142.29,68.25 D34.1 ; 141.91,67.87 160.98,67.87 ; 141.91,67.87 122.96,67.87 ; 256.12,67.87 256.61,68.36 D40.1 ; 256.12,67.87 278.03,67.87 278.43,68.27 278.43,69.26 ; 160.98,67.87 161.35,68.25 D35.1 ; 160.98,67.87 179.88,67.87 ; 84.75,67.87 103.92,67.87 ; 84.75,67.87 85.06,68.19 D31.1 ; 103.92,67.87 104.17,68.12 D32.1 ; 103.92,67.87 122.96,67.87 ; 199.29,67.87 179.88,67.87 ; 199.29,67.87 199.59,68.17 D37.1 ; 122.96,67.87 123.27,68.19 D33.1
  Bottom w0.15: v1(288.33,55.11) 289.34,54.11 290.52,54.11 v1(291.02,54.61) ; v1(292.77,56.14) 292.77,67.82 295.39,70.44 297.41,70.44 300.08,73.1 v1(301.45,73.1)
Board_0-/row3: length 449.3
  Top w0.15: 273.53,48.74 v1(273.53,48.72) 273.53,48.72 274.37,47.89 295.59,47.89 296.83,46.65 311.39,46.65 317.53,40.51 U3.7 ; 327.78,88.36 311.42,72 304.1,72 302.4,73.7 v1(301.44,73.7) ; v1(292.77,68.65) 292.77,63.05 292.74,63.02 ; 292.74,63.02 292.36,62.64 v2(291.41,62.64) ; 292.74,63.02 287.75,58.03 v1(287.75,57.88)
  Top w0.25: D43.1 51.86,49.53 51.36,49.03 ; 89.53,49.03 70.33,49.03 ; 89.53,49.03 89.88,49.37 D45.1 ; 89.53,49.03 108.73,49.03 ; 70.33,49.03 51.36,49.03 ; 70.33,49.03 70.82,49.52 D44.1 ; 146.71,49.03 127.51,49.03 ; 146.71,49.03 147.01,49.33 D48.1 ; 146.71,49.03 166.04,49.03 ; 127.51,49.03 127.93,49.44 D47.1 ; 127.51,49.03 108.73,49.03 ; 51.36,49.03 26.88,49.03 D42.1 ; 184.77,49.03 166.04,49.03 ; 184.77,49.03 185.15,49.41 D50.1 ; 184.77,49.03 203.83,49.03 ; 166.04,49.03 166.17,49.16 D49.1 ; 241.61,49.01 222.6,49.01 222.59,49.03 ; 241.61,49.01 243.57,49.01 244.6,47.98 253.83,47.98 ; 241.61,49.01 242.26,49.67 D53.1 ; D52.1 223.17,49.62 222.59,49.03 ; 203.83,49.03 204.22,49.41 D51.1 ; 203.83,49.03 222.59,49.03 ; D46.1 108.99,49.29 108.73,49.03 ; D55.1 254.75,48.9 253.83,47.98 ; v1(273.53,48.72) 272.79,47.98 253.83,47.98 ; 285.41,112.61 285.92,112.1 v2(286.64,112.1)
  Bottom w0.15: v2(286.64,112.1) 286.64,110.81 291.85,105.6 291.85,63.08 v2(291.41,62.64) ; v1(273.53,48.72) 274.43,49.62 279.34,49.62 287.6,57.88 v1(287.75,57.88) ; v1(292.77,68.65) 293.1,68.65 295.24,70.79 297.27,70.79 300.18,73.7 v1(301.44,73.7)
Board_0-/row4: length 375.8
  Top w0.15: v1(314.13,40.39) 314.73,40.39 314.98,40.64 316.9,40.64 317.43,40.11 U3.8 ; D83.1 326.86,68.5 308.35,68.5 305.56,71.3 303.81,71.3 302.61,72.51 v1(301.47,72.51) ; 290.86,30.09 292.11,28.85 296.63,28.85 298.45,30.66 304.11,30.66 v1(307.33,33.88)
  Top w0.25: 258.28,29.55 259.06,30.33 259.06,30.69 ; 258.28,29.55 290.81,29.55 D69.1 ; 258.28,29.55 231.83,29.55 ; 79.42,29.55 98.45,29.55 ; 79.42,29.55 62.91,29.55 D57.1 ; 79.42,29.55 80.31,30.45 D58.1 ; 98.45,29.55 117.86,29.55 ; 98.45,29.55 99.51,30.61 D59.1 ; 174.87,29.55 175.57,30.25 D63.1 ; 174.87,29.55 155.61,29.55 ; 174.87,29.55 193.43,29.55 ; 193.43,29.55 194.63,30.76 D64.1 ; 193.43,29.55 212.74,29.55 ; 117.86,29.55 118.49,30.18 D60.1 ; 117.86,29.55 136.77,29.55 ; D61.1 137.6,30.38 136.77,29.55 ; 61.2,31.02 D57.1 ; D57.1 61.28,31.1 D56.1 ; 155.61,29.55 136.77,29.55 ; 155.61,29.55 156.46,30.4 D62.1 ; 212.74,29.55 231.83,29.55 ; 212.74,29.55 213.68,30.49 D65.1 ; 231.83,29.55 232.73,30.45 D66.1
  Bottom w0.15: 307.27,33.88 313.28,39.89 313.63,39.89 v1(314.13,40.39) 306.97,47.56 297.91,47.56 293.25,52.23 293.25,56.34 293.12,56.46 293.12,67.68 295.53,70.09 297.56,70.09 299.97,72.51 v1(301.47,72.51)
Board_0-/row5: length 355.9
  Top w0.15: v1(307.94,33.88) 307.94,33.82 304.65,30.53 304.65,16.33 310.11,10.87 ; U3.9 317.34,39.71 316.75,40.29 315.13,40.29 314.71,39.88 v1(314.44,39.88)
  Top w0.25: 155.55,14.62 153.54,16.63 153.54,18.16 ; 155.55,14.62 207.91,14.62 210,12.53 ; 155.55,14.62 81.24,14.62 77.53,10.91 68.04,10.91 ; 245.55,9.63 246.97,11.04 D76.1 ; 245.55,9.63 271.21,9.63 ; 245.55,9.63 226.69,9.63 ; 289.88,9.63 309.09,9.63 310.33,10.87 ; 289.88,9.63 271.21,9.63 ; 289.88,9.63 291.03,10.79 D78.1 ; D71.1 44.47,11.4 43.99,10.91 ; 226.69,9.63 212.91,9.63 210,12.53 ; 226.69,9.63 227.9,10.84 D75.1 ; D70.1 22.05,10.91 43.99,10.91 ; 210,12.53 209.55,12.08 D74.1 ; D72.1 68.44,11.32 68.04,10.91 ; D77.1 271.93,10.35 271.21,9.63 ; 68.04,10.91 43.99,10.91
  Bottom w0.15: v1(307.94,33.88) 307.95,33.89 307.95,34.07 313.42,39.54 314.1,39.54 v1(314.44,39.88)
Board_0-/RUN: length 18
  Top w0.15: v1(328.94,35.68) 328.81,35.81 328.23,35.81 327.76,36.28 U3.26 ; v1(342.11,37.78) 342.27,37.62 342.27,36.03
  Bottom w0.15: 342.01,37.88 v1(342.11,37.78) 341.83,37.5 330.75,37.5 v1(328.94,35.68)
Board_0-/SCL: length 34.1
  Top w0.15: U3.3 319.11,42.11 v1(319.04,42.18)
  Bottom w0.25: OLED1.3 310.49,60.7 319.04,52.15 v1(319.04,42.18)
Board_0-/SDA: length 34.7
  Top w0.15: v1(319.58,42.76) 319.81,42.53 322.51,42.53 322.52,42.52 U3.2
  Bottom w0.25: OLED1.4 304.09,61.15 310.68,61.15 319.49,52.34 319.49,42.85 v1(319.58,42.76)
Board_0-/USB_BOOT: length 24
  Top w0.15: S1.2_1 342.79,43.64 v1(342.49,43.94) ; v1(323.95,49.75) 323.82,49.62 R3.1
  Bottom w0.15: 324.02,49.83 v1(323.95,49.75) 329.33,44.37 342.06,44.37 v1(342.49,43.94)
Board_0-/USB_DN: length 232.6
  Top w0.25: 175.23,127.83 USB1.5 ; 174.26,127.8 175.21,127.8 ; USB1.7 174.23,127.83
  Top w0.9: 175.25,127.48 175.25,126.58 178.62,126.58 182.83,130.78 295.07,130.78 297.67,128.19 297.67,73.21 303.47,67.41 320.2,67.41 328.42,59.2 R16.2
Board_0-/USB_DP: length 234.4
  Top w0.25: USB1.6 174.73,129.88 174.71,129.9 173.76,129.9 173.73,129.88 USB1.8 173.73,127.81 173.65,127.73
  Top w0.4: 173.65,127.73 173.65,127.2
  Top w0.9: 327.34,47.28 327.34,58.75 319.76,66.33 302.85,66.33 296.59,72.59 296.59,127.74 294.62,129.7 183.27,129.7 179.07,125.5 174.8,125.5 173.65,126.65 173.65,127.2
